# KiCad board NanoGaN.kicad_pcb (continued)
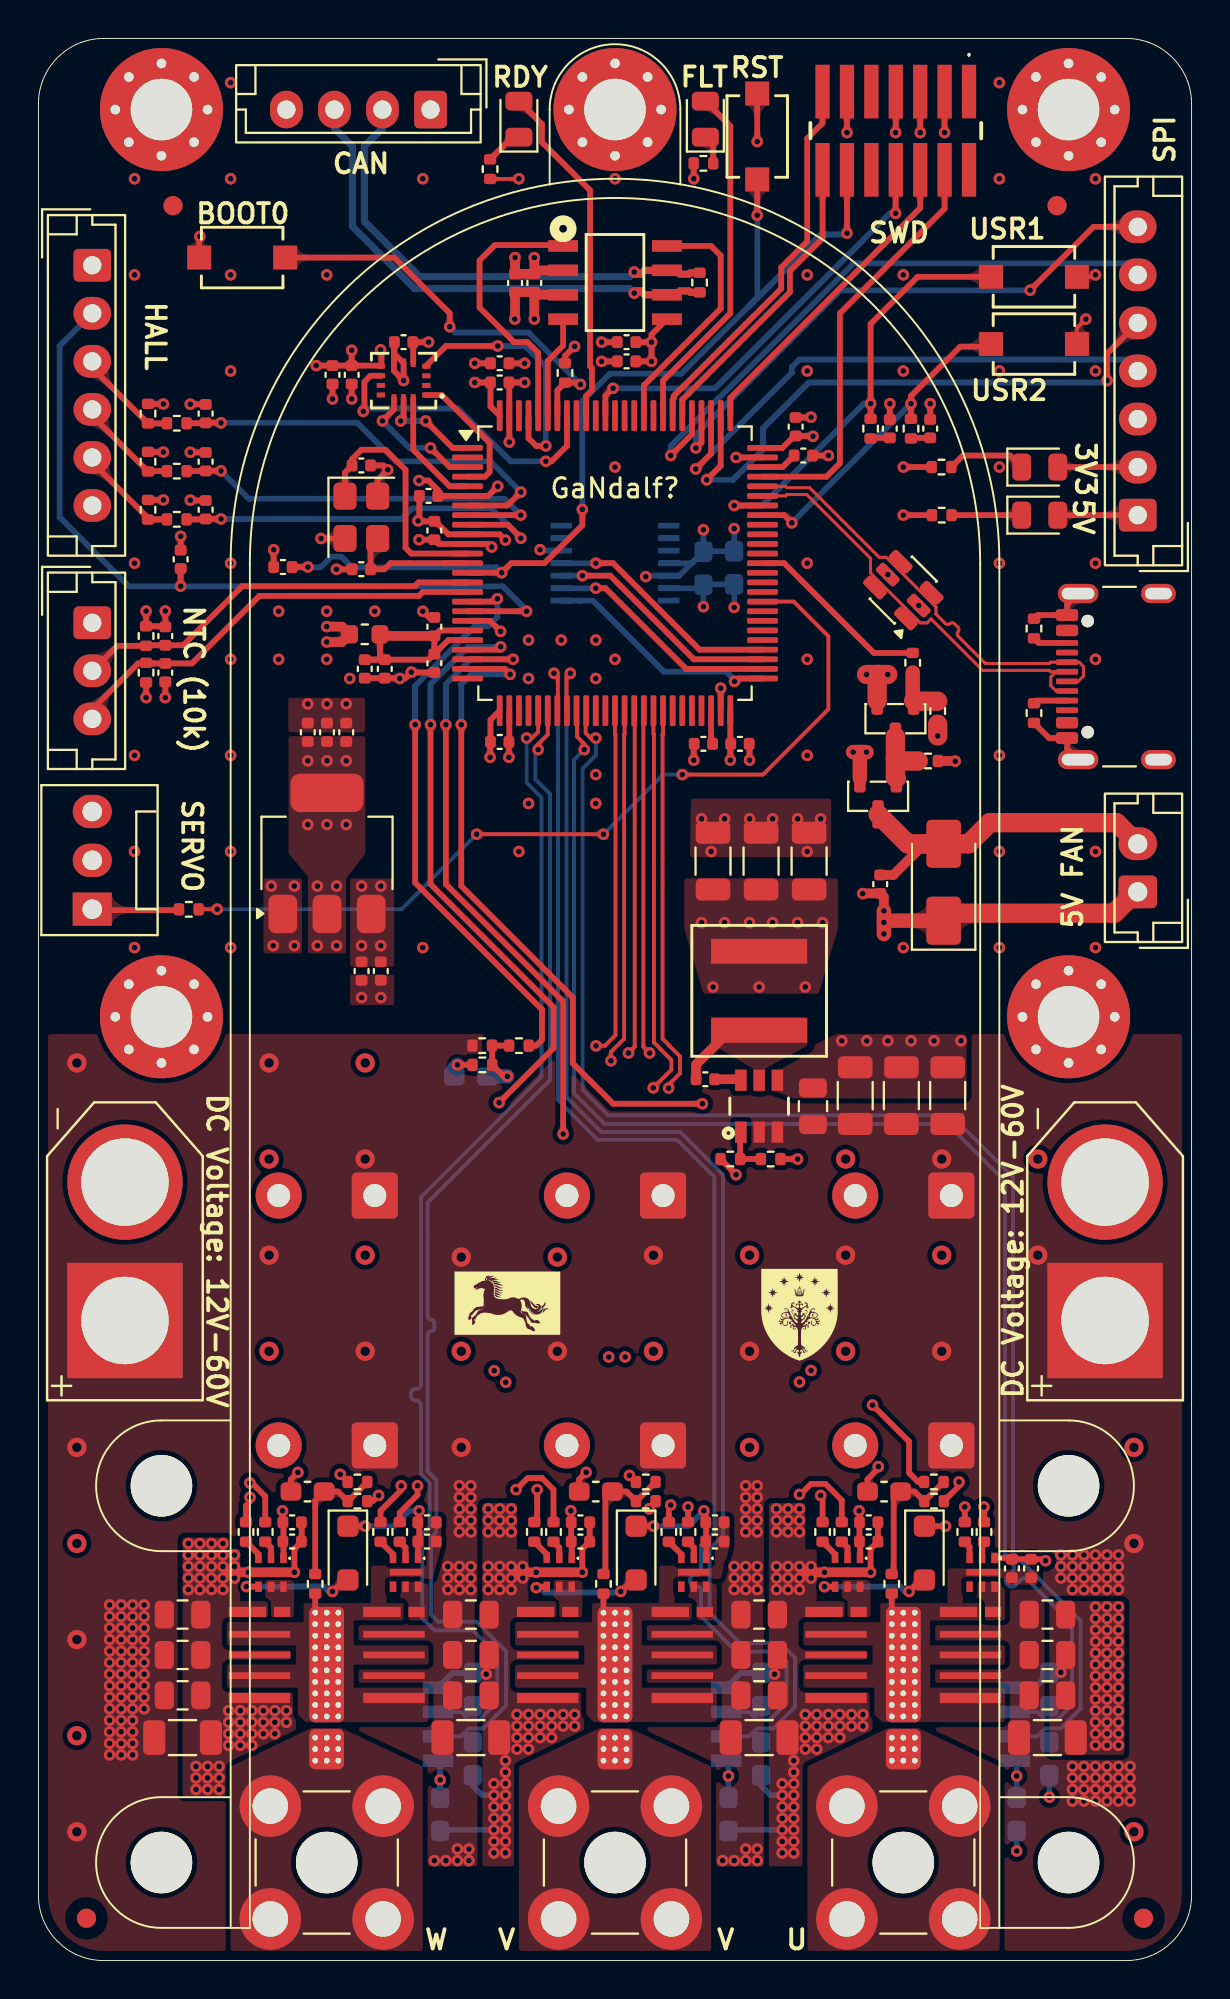
[diagram p0: board, top side]
## Library data of the parts (continued)
J10 = -: Description: Generic connector, single row, 01x06, script generated (kicad-library-utils/schlib/autogen/connector/); ki_fp_filters: Connector*:*_1x??_*
J11 = -: Description: Generic connector, single row, 01x04, script generated (kicad-library-utils/schlib/autogen/connector/); ki_fp_filters: Connector*:*_1x??_*
J12 = -: Datasheet: https://www.usb.org/sites/default/files/documents/usb_type-c.zip; Description: USB 2.0-only 16P Type-C Receptacle connector; LCSC: C2988369; ki_fp_filters: USB*C*Receptacle*
L1 = -: Datasheet: https://www.coilcraft.com/getmedia/ea51f14b-7f32-4dc6-8dfe-d4b70549040f/xal60xx.pdf; Description: 10uH 27mΩ 7.6A 7A AEC-Q200 Magnetic Shielded Inductor ±20% SMD,6.6x6.4mm Power Inductors ROHS; LCSC: C2911576; Inductance: 10u; ki_fp_filters: Choke_* *Coil* Inductor_* L_*
L2 = -: Description: 2.2GHz 250mΩ 39nH 40@250MHz 600mA ±5% 0603 Inductors (SMD) ROHS; LCSC: C295697; Inductance: 39n; ki_fp_filters: Choke_* *Coil* Inductor_* L_*
MH1-MH5 = -: Description: Mounting Hole with connection; ki_fp_filters: MountingHole*Pad*
MH6-MH9 = -: Description: Mounting Hole without connection; ki_fp_filters: MountingHole*
Q1-Q6 = -: Datasheet: https://www.infineon.com/assets/row/public/documents/24/49/infineon-igc025s08s1-datasheet-en.pdf; Description: CoolGaN™ Transistor 80 V G3 in PQFN 3x5, 1.9 mΩ; LCSC: C43313314
Q7 = -: Datasheet: https://ngspice.sourceforge.io/docs/ngspice-html-manual/manual.xhtml#cha_MOSFETs; Description: N-MOSFET transistor, drain/source/gate; Sim.Device: NMOS; Sim.Type: VDMOS; Sim.Pins: 1=D 2=G 3=S; LCSC: C20917
Q8 = -: Datasheet: https://ngspice.sourceforge.io/docs/ngspice-html-manual/manual.xhtml#cha_MOSFETs; Description: N-MOSFET transistor, drain/source/gate; Sim.Device: NMOS; Sim.Type: VDMOS; Sim.Pins: 1=D 2=G 3=S
R1 = -: Description: -55℃~+155℃ 100kΩ 50V 62.5mW Thick Film Resistor ±1% ±100ppm/℃ 0402 Chip Resistor - Surface Mount ROHS; Manufacturer: UNI-ROYAL(Uniroyal Elec); LCSC: C25741; Resistance: 100k; ki_fp_filters: R_*
R2 = -: Description: -55℃~+155℃ 100mW 18kΩ 75V Thick Film Resistor ±1% ±100ppm/℃ 0603 Chip Resistor - Surface Mount ROHS; Manufacturer: UNI-ROYAL(Uniroyal Elec); LCSC: C52036; Resistance: 19.1k; ki_fp_filters: R_*
R3 R43 = -: Description: -55℃~+155℃ 220Ω 50V 62.5mW Thick Film Resistor ±1% ±100ppm/℃ 0402 Chip Resistor - Surface Mount ROHS; LCSC: C25091; Resistance: 220; ki_fp_filters: R_*
R4 R10 R20 R28 = -: Description: -55℃~+155℃ 100mW 39kΩ 75V Thick Film Resistor ±1% ±100ppm/℃ 0603 Chip Resistor - Surface Mount ROHS; Resistance: 39k; LCSC: C965259; ki_fp_filters: R_*
R5 R12 R29 R31 R33 R56 R57 = -: Description: -55℃~+155℃ 2.2kΩ 50V 62.5mW Thick Film Resistor ±1% ±100ppm/℃ 0402 Chip Resistor - Surface Mount ROHS; LCSC: C25879; Resistance: 2k2; ki_fp_filters: R_*
R6 = -: Description: -55℃~+155℃ 120Ω 50V 62.5mW Thick Film Resistor ±1% ±100ppm/℃ 0402 Chip Resistor - Surface Mount ROHS; LCSC: C25079; Resistance: 120; ki_fp_filters: R_*
R7 R19 R32 = -: Description: -55℃~+155℃ 0Ω 50V 62.5mW Thick Film Resistor ±1% ±800ppm/℃ 0402 Chip Resistor - Surface Mount ROHS; Resistance: 0; LCSC: C17168; ki_fp_filters: R_*
R8 R9 R15 R16 R22 R44-R49 = -: Description: -55℃~+155℃ 47kΩ 50V 62.5mW Thick Film Resistor ±1% ±100ppm/℃ 0402 Chip Resistor - Surface Mount ROHS; LCSC: C25792; Resistance: 47k; ki_fp_filters: R_*
R11 R21 R34-R36 R41 R42 = -: Description: -55℃~+155℃ 10kΩ 50V 62.5mW Thick Film Resistor ±1% ±100ppm/℃ 0402 Chip Resistor - Surface Mount ROHS; LCSC: C25744; Resistance: 10k; ki_fp_filters: R_*
R23 = -: Description: -55℃~+155℃ 47kΩ 50V 62.5mW Thick Film Resistor ±1% ±100ppm/℃ 0402 Chip Resistor - Surface Mount ROHS; Resistance: 47k; LCSC: C25792; ki_fp_filters: R_*
R26 R30 = -: Description: -55℃~+155℃ 2.2kΩ 50V 62.5mW Thick Film Resistor ±1% ±100ppm/℃ 0402 Chip Resistor - Surface Mount ROHS; Resistance: 2k2; LCSC: C25879; ki_fp_filters: R_*
R27 = -: Description: -55℃~+155℃ 0Ω 50V 62.5mW Thick Film Resistor ±1% ±800ppm/℃ 0402 Chip Resistor - Surface Mount ROHS; LCSC: C17168; Resistance: 0; ki_fp_filters: R_*
R37 R38 = -: Description: -55℃~+155℃ 5.1kΩ 50V 62.5mW Thick Film Resistor ±1% ±100ppm/℃ 0402 Chip Resistor - Surface Mount ROHS; LCSC: C25905; Resistance: 5k1; ki_fp_filters: R_*
R39 = -: Description: -55℃~+155℃ 100Ω 50V 62.5mW Thick Film Resistor ±1% ±100ppm/℃ 0402 Chip Resistor - Surface Mount ROHS; Resistance: 100; LCSC: C25076; ki_fp_filters: R_*
R40 = -: Description: -55℃~+155℃ 1kΩ 50V 62.5mW Thick Film Resistor ±1% ±100ppm/℃ 0402 Chip Resistor - Surface Mount ROHS; LCSC: C11702; Resistance: 1k; ki_fp_filters: R_*
R58 R59 = -: Description: -55℃~+155℃ 220Ω 50V 62.5mW Thick Film Resistor ±1% ±100ppm/℃ 0402 Chip Resistor - Surface Mount ROHS; Resistance: 220; LCSC: C25091; ki_fp_filters: R_*
R60 = -: Description: -55℃~+155℃ 50V 510Ω 62.5mW Thick Film Resistor ±1% ±100ppm/℃ 0402 Chip Resistor - Surface Mount ROHS; Resistance: 510; LCSC: C25123; ki_fp_filters: R_*
SW1-SW4 = -: Description: -30℃~+80℃ 1.6N 100,000 Cycles 12V 2mm 3mm 4mm 50mA Black Round Button SMD(SMT) Tab SPST Surface Mount,Vertical Without Bracket SMD,4x3mm Tactile Switches ROHS; LCSC: C720477
U1 = -: Datasheet: https://www.st.com/resource/en/datasheet/stm32h723vg.pdf; Description: STMicroelectronics Arm Cortex-M7 MCU, 1024KB flash, 564KB RAM, 550 MHz, 1.71-3.6V, 82 GPIO, LQFP100; Manufacturer: STMicroelectronics; LCSC: C730142; ki_fp_filters: LQFP*14x14mm*P0.5mm*
U2 = -: Datasheet: https://www.ti.com/lit/gpn/lmr51635; Description: -40℃~+150℃@(TJ) 1.1MHz 29uA 3.5A 4.3V~60V 800mV~30V Adjustable Buck Buck Built-in Yes TSOT-23-6 DC-DC Converters ROHS; LCSC: C42432812; ki_fp_filters: DDC0006A-MFG
U3 = -: Datasheet: http://www.advanced-monolithic.com/pdf/ds1117.pdf; LCSC: C6186; ki_fp_filters: SOT?223*TabPin2*
U4 U6 U7 = -: Datasheet: https://www.allegromicro.com/~/media/Files/Datasheets/ACS37030-32-Datasheet; Description: High Accuracy Current Sensor IC; Height: 1.82; Mouser Part Number: 250-ACS37030-065B3; Mouser Price/Stock: https://www.mouser.co.uk/ProductDetail/Allegro-MicroSystems/ACS37030LLZATR-065B3?qs=mELouGlnn3cAUYuLP7Rm%2FA%3D%3D; Manufacturer_Name: Allegro Microsystems; Range: +-65A
U5 U8 U10-U13 = -: Datasheet: https://www.infineon.com/assets/row/public/documents/24/49/infineon-ds-1edn71x6u-2.0-datasheet-en.pdf; Description: -40℃~+125℃ 2 2A 2A 3ns 3ns 4.2V~11V Low Side、High Side MOSFET VSON-10 Gate Drivers ROHS; LCSC: C3654881
U9 = -: Description: -40℃~+85℃ 1.71V~3.6V 2.6uA 4.5KB IMU SPI、I2C、I3C X,Y,Z X,Y,Z ±16g ±4000dps LGA-14L(2.5x3) Accelerometers ROHS; LCSC: C41785564; ki_fp_filters: LGA14-L_2P59X3P1X0P5_STM LGA14-L_2P59X3P1X0P5_STM-M LGA14-L_2P59X3P1X0P5_STM-L
U14 = -: Description: -40℃~+125℃ 0°~360° 1.2mm 15mA 4.4mm 4.5V~5.5V 5mm Magnetic rotary position sensor No SPI TSSOP-14 Position Sensors ROHS; LCSC: C962063; ki_fp_filters: TSSOP-14_AMS TSSOP-14_AMS-M TSSOP-14_AMS-L
U15 = -: Datasheet: https://www.ti.com/lit/gpn/tcan1044-q1; Description: -40℃~+125℃ 1uA 4.5V~5.5V 70mA 8Mbps CAN FD Transceiver SOIC-8 CAN Transceivers ROHS; LCSC: C1852061; ki_fp_filters: D0008A-IPC_A D0008A-IPC_B D0008A-IPC_C D0008A-MFG
X1 = -: Datasheet: https://jlcpcb.com/api/file/downloadByFileSystemAccessId/8588879072109322240; Description: -40℃~+85℃ 12MHz 20pF Crystal Oscillator ±10ppm ±20ppm SMD3225-4P Crystals ROHS; LCSC: C9002; Freq: 12MHz; ki_fp_filters: Crystal*

## Footprints (pads in the part's own frame, mm; a bottom-side part is the same pattern mirrored in y, then rotated)
1EDN71X6U
  rect 0.54x0.34 smd: 1(-0.75,0.65) 2(-0.75,0) 3(-0.75,-0.65) 5(0.75,-0.65) 6(0.75,0) 7(0.75,0.65)
  rect 0.34x1.64 smd: 4(0,0)
ACS37030LLZATR020B3
  rect 1.92x1.58 smd: 1(1.27,2.89) 2(-1.27,2.89)
  rect 0.65x1.58 smd: 3(-1.905,-2.89) 4(-0.635,-2.89) 5(0.635,-2.89) 6(1.905,-2.89)
AMASS_XT60-M
  round 6 hole 4.55: N(3.6,0)
  rect 6x6 hole 4.55: P(-3.6,0)
C_0402_1005Metric
  rrect 0.56x0.62 smd: 1(-0.48,0) 2(0.48,0)
C_0603_1608Metric_Pad1.08x0.95mm_HandSolder
  rrect 1.075x0.95 smd: 1(-0.863,0) 2(0.863,0)
C_0805_2012Metric
  rrect 1x1.45 smd: 1(-0.95,0) 2(0.95,0)
C_1206_3216Metric
  rrect 1.15x1.8 smd: 1(-1.475,0) 2(1.475,0)
CP_Radial_D12.5mm_P5.00mm
  rrect 2.4x2.4 hole 1.2: 1(-2.5,0)
  round 2.4 hole 1.2: 2(2.5,0)
Crystal_SMD_3225-4Pin_3.2x2.5mm
  rrect 1.4x1.2 smd: 1(-1.1,-0.85) 2(1.1,-0.85) 3(1.1,0.85) 4(-1.1,0.85)
D0008A-MFG
  rect 1.55x0.6 smd: 1(-2.7,1.905) 2(-2.7,0.635) 3(-2.7,-0.635) 4(-2.7,-1.905) 5(2.7,-1.905) 6(2.7,-0.635) 7(2.7,0.635) 8(2.7,1.905)
D_SMA
  rrect 2.5x1.8 smd: 1(-2,0) 2(2,0)
D_SOD-123F
  rrect 1.1x1.1 smd: 1(-1.4,0) 2(1.4,0)
DDC0006A-MFG
  rect 1.1x0.6 smd: 1(-1.35,0.95) 2(-1.35,0) 3(-1.35,-0.95) 4(1.35,-0.95) 5(1.35,0) 6(1.35,0.95)
FanPinHeader_1x03_P2.54mm_Vertical
  rect 1.73x2.03 hole 1.02: 1(0,0)
  oval 1.73x2.03 hole 1.02: 2(2.54,0) 3(5.08,0)
Fiducial_1mm_Mask2mm
  round 1 smd: (0,0)
FTSH10701LDVKTR
  rect 0.74x2.79 smd: 1(-3.81,-2.035) 2(-3.81,2.035) 3(-2.54,-2.035) 4(-2.54,2.035) 5(-1.27,-2.035) 6(-1.27,2.035) 7(0,-2.035) 8(0,2.035) 9(1.27,-2.035) 10(1.27,2.035) 11(2.54,-2.035) 12(2.54,2.035) 13(3.81,-2.035) 14(3.81,2.035)
HB_PAD
  round 0.6 hole 0.3: 1(-0.6,-0.3) 1(-0.6,-0.9) 1(-0.6,-1.5) 1(-0.6,-2.1) 1(-0.6,-2.7) 1(-0.6,-3.3) 1(-0.6,-3.9) 1(-0.6,-4.5) 1(-0.6,-5.1) 1(-0.6,-5.7) 1(0,-0.3) 1(0,-0.9) 1(0,-1.5) 1(0,-2.1) 1(0,-2.7) 1(0,-3.3) 1(0,-3.9) 1(0,-4.5) 1(0,-5.1) 1(0,-5.7) 1(0.6,-0.3) 1(0.6,-0.9) 1(0.6,-1.5) 1(0.6,-2.1) 1(0.6,-2.7) 1(0.6,-3.3) 1(0.6,-3.9) 1(0.6,-4.5) 1(0.6,-5.1) 1(0.6,-5.7) 2(-0.6,-6.8) 2(-0.6,-7.4) 2(-0.6,-8) 2(0,-6.8) 2(0,-7.4) 2(0,-8) 2(0.6,-6.8) 2(0.6,-7.4) 2(0.6,-8)
  rrect 1.8x6 smd: 1(0,-3)
  rrect 1.8x6 smd far side: 1(0,-3)
  rrect 1.8x2.1 smd: 2(0,-7.4)
  rrect 1.8x2.1 smd far side: 2(0,-7.4)
IFX-PG-TSON-6-2-V
  rect 0.53x0.85 smd: 1(-2.24,1.175)
  rect 0.35x3.2 smd: 2(-1.075,0) 3(0,0) 4(1.075,0)
  rect 0.53x3.2 smd: 5(2.24,0)
  rect 0.53x1.95 smd: 6(-2.24,-0.625)
IND_XAL60XX-240H_COC
  rect 1.295x5.004 smd: 1(-2.057,0) 2(2.057,0)
JST_EH_B2B-EH-A_1x02_P2.50mm_Vertical
  rrect 1.7x2 hole 1: 1(0,0)
  oval 1.7x2 hole 1: 2(2.5,0)
JST_EH_B3B-EH-A_1x03_P2.50mm_Vertical
  rrect 1.7x1.95 hole 0.95: 1(0,0)
  oval 1.7x1.95 hole 0.95: 2(2.5,0) 3(5,0)
JST_EH_B4B-EH-A_1x04_P2.50mm_Vertical
  rrect 1.7x1.95 hole 0.95: 1(0,0)
  oval 1.7x1.95 hole 0.95: 2(2.5,0) 3(5,0) 4(7.5,0)
JST_EH_B6B-EH-A_1x06_P2.50mm_Vertical
  rrect 1.7x1.95 hole 0.95: 1(0,0)
  oval 1.7x1.95 hole 0.95: 2(2.5,0) 3(5,0) 4(7.5,0) 5(10,0) 6(12.5,0)
JST_EH_B7B-EH-A_1x07_P2.50mm_Vertical
  rrect 1.7x1.95 hole 0.95: 1(0,0)
  oval 1.7x1.95 hole 0.95: 2(2.5,0) 3(5,0) 4(7.5,0) 5(10,0) 6(12.5,0) 7(15,0)
L_0603_1608Metric
  rrect 0.875x0.95 smd: 1(-0.787,0) 2(0.787,0)
LED_0805_2012Metric
  rrect 0.975x1.4 smd: 1(-0.938,0) 2(0.938,0)
LGA14-L_2P59X3P1X0P5_STM-L
  rect 0.432x0.254 smd: 1(-1.181,0.75) 2(-1.181,0.25) 3(-1.181,-0.25) 4(-1.181,-0.75) 8(1.181,-0.75) 9(1.181,-0.25) 10(1.181,0.25) 11(1.181,0.75)
  rect 0.254x0.432 smd: 5(-0.5,-0.927) 6(0,-0.927) 7(0.5,-0.927) 12(0.5,0.927) 13(0,0.927) 14(-0.5,0.927)
LQFP-100_14x14mm_P0.5mm
  rrect 1.6x0.3 smd: 1(-7.675,6) 2(-7.675,5.5) 3(-7.675,5) 4(-7.675,4.5) 5(-7.675,4) 6(-7.675,3.5) 7(-7.675,3) 8(-7.675,2.5) 9(-7.675,2) 10(-7.675,1.5) 11(-7.675,1) 12(-7.675,0.5) 13(-7.675,0) 14(-7.675,-0.5) 15(-7.675,-1) 16(-7.675,-1.5) 17(-7.675,-2) 18(-7.675,-2.5) 19(-7.675,-3) 20(-7.675,-3.5) 21(-7.675,-4) 22(-7.675,-4.5) 23(-7.675,-5) 24(-7.675,-5.5) 25(-7.675,-6) 51(7.675,-6) 52(7.675,-5.5) 53(7.675,-5) 54(7.675,-4.5) 55(7.675,-4) 56(7.675,-3.5) 57(7.675,-3) 58(7.675,-2.5) 59(7.675,-2) 60(7.675,-1.5) 61(7.675,-1) 62(7.675,-0.5) 63(7.675,0) 64(7.675,0.5) 65(7.675,1) 66(7.675,1.5) 67(7.675,2) 68(7.675,2.5) 69(7.675,3) 70(7.675,3.5) 71(7.675,4) 72(7.675,4.5) 73(7.675,5) 74(7.675,5.5) 75(7.675,6)
  rrect 0.3x1.6 smd: 26(-6,-7.675) 27(-5.5,-7.675) 28(-5,-7.675) 29(-4.5,-7.675) 30(-4,-7.675) 31(-3.5,-7.675) 32(-3,-7.675) 33(-2.5,-7.675) 34(-2,-7.675) 35(-1.5,-7.675) 36(-1,-7.675) 37(-0.5,-7.675) 38(0,-7.675) 39(0.5,-7.675) 40(1,-7.675) 41(1.5,-7.675) 42(2,-7.675) 43(2.5,-7.675) 44(3,-7.675) 45(3.5,-7.675) 46(4,-7.675) 47(4.5,-7.675) 48(5,-7.675) 49(5.5,-7.675) 50(6,-7.675) 76(6,7.675) 77(5.5,7.675) 78(5,7.675) 79(4.5,7.675) 80(4,7.675) 81(3.5,7.675) 82(3,7.675) 83(2.5,7.675) 84(2,7.675) 85(1.5,7.675) 86(1,7.675) 87(0.5,7.675) 88(0,7.675) 89(-0.5,7.675) 90(-1,7.675) 91(-1.5,7.675) 92(-2,7.675) 93(-2.5,7.675) 94(-3,7.675) 95(-3.5,7.675) 96(-4,7.675) 97(-4.5,7.675) 98(-5,7.675) 99(-5.5,7.675) 100(-6,7.675)
MountingHole_3.2mm_M3
  round 3.2 hole 3.2 unplated: (0,0)
MountingHole_3.2mm_M3_Pad_Via
  round 0.8 hole 0.5: 1(-2.4,0) 1(-1.697,1.697) 1(-1.697,-1.697) 1(0,2.4) 1(0,-2.4) 1(1.697,1.697) 1(1.697,-1.697) 1(2.4,0)
  round 6.4 hole 3.2: 1(0,0)
R_0402_1005Metric
  rrect 0.54x0.64 smd: 1(-0.51,0) 2(0.51,0)
SOT-23-6
  rrect 1.325x0.6 smd: 1(-1.137,0.95) 2(-1.137,0) 3(-1.137,-0.95) 4(1.137,-0.95) 5(1.137,0) 6(1.137,0.95)
SOT-23_3
  rrect 1.475x0.6 smd: 1(0.938,0) 2(-0.938,0.95) 3(-0.938,-0.95)
SOT-223-3_TabPin2
  rrect 2x1.5 smd: 1(-3.15,2.3) 2(-3.15,0) 3(-3.15,-2.3)
  rrect 2x3.8 smd: 2(3.15,0)
SW_TS-1088_XNP
  rect 1.245x1.245 smd: 1(-2.235,0) 2(2.235,0)
TSSOP-14_AMS-L
  rect 1.105x0.305 smd: 1(-2.8,1.95) 2(-2.8,1.3) 3(-2.8,0.65) 4(-2.8,0) 5(-2.8,-0.65) 6(-2.8,-1.3) 7(-2.8,-1.95) 8(2.8,-1.95) 9(2.8,-1.3) 10(2.8,-0.65) 11(2.8,0) 12(2.8,0.65) 13(2.8,1.3) 14(2.8,1.95)
USB_C_Receptacle_GCT_USB4105-xx-A_16P_TopMnt_Horizontal
  round 0.65 hole 0.65 unplated: (-2.89,2.605) (2.89,2.605)
  rrect 0.6x1.15 smd: A1(-3.2,3.68) A4(-2.4,3.68) A9(2.4,3.68) A12(3.2,3.68) B1(3.2,3.68) B12(-3.2,3.68)
  rrect 0.3x1.15 smd: A5(-1.25,3.68) A6(-0.25,3.68) A7(0.25,3.68) A8(1.25,3.68) B5(1.75,3.68) B6(0.75,3.68) B7(-0.75,3.68) B8(-1.75,3.68)
  oval 1x2.1 hole 0.6x1.7: S1(-4.32,3.105) S1(4.32,3.105)
  oval 1x1.8 hole 0.6x1.4: S1(-4.32,-1.075) S1(4.32,-1.075)
Wuerth_REDCUBE-THR_WP-THRBU_74650073_THR
  round 3.1 smd: (-2.935,2.935) (-2.935,-2.935) (2.935,2.935) (2.935,-2.935)
  round 3.2 hole 3.2 unplated: (0,0)
  round 3.2 hole 1.85: 1(-2.935,2.935) 1(-2.935,-2.935) 1(2.935,2.935) 1(2.935,-2.935)

## Nets
+3V3: C8.1 C24.1 C37.1 C38.1 C40.1 C54.1 C56.1 C57.1 C58.1 C59.1 C63.1 C64.1 C71.1 C73.1 C74.1 C75.1 C76.1 C77.1 C78.1 C89.1 D1.2 J6.3 J7.1 J9.2 L2.1 R29.1 R31.1 R33.1 SW2.1 U1.6 U1.11 U1.27 U1.50 U1.75 U1.100 U3.2 U4.6 U6.6 U7.6 U9.5 U9.8 U14.11 U14.12 U15.5
+3V3A: C9.1 C10.1 C72.1 C80.1 L2.2 U1.20 U1.21
+5V: C6.1 C7.1 C16.1 C20.1 C23.1 C29.1 C41.1 C43.1 C65.1 C66.1 C79.1 C82.1 C86.1 C93.1 D2.5 D3.1 D6.2 J8.1 J9.1 J10.1 J11.1 J14.2 L1.2 R1.1 R40.1 U3.3 U11.1 U12.1 U13.1 U15.3
GND: C1.2 C2.2 C3.2 C4.2 C6.2 C7.2 C8.2 C9.2 C10.2 C11.2 C12.2 C13.2 C14.2 C15.2 C16.2 C17.2 C18.2 C19.2 C20.2 C23.2 C24.2 C25.2 C26.2 C27.2 C28.2 C29.2 C30.2 C32.2 C33.2 C35.2 C36.2 C37.2 C38.2 C39.2 C40.2 C41.2 C42.2 C43.2 C44.2 C45.2 C46.2 C47.2 C49.2 C50.2 C52.2 C53.2 C54.2 C55.2 C56.2 C57.2 C58.2 C59.2 C60.2 C61.2 C62.2 C63.2 C64.2 C65.2 C66.2 C67.2 C68.2 C69.2 C70.2 C71.2 C72.2 C73.2 C74.2 C75.2 C76.2 C77.2 C78.2 C79.2 C80.2 C81.2 C82.2 C83.2 C84.2 C85.2 C86.2 C87.2 C88.2 C89.2 C90.2 C91.2 C94.2 C95.2 D2.2 J1.N J2.N J6.5 J6.7 J6.11 J9.3 J10.6 J11.4 J12.A1 J12.A12 J12.B1 J12.B12 J12.S1 J14.3 MH1.1 MH2.1 MH3.1 MH4.1 MH5.1 Q2.3 Q2.5 Q2.6 Q4.3 Q4.5 Q4.6 Q6.3 Q6.5 Q6.6 Q7.3 Q8.3 R2.2 R3.2 R5.2 R11.2 R12.2 R21.2 R26.2 R30.2 R37.2 R38.2 R41.1 R42.2 R58.2 R59.2 R60.2 SW1.1 SW3.1 SW4.1 U1.10 U1.19 U1.26 U1.49 U1.74 U1.99 U2.4 U3.1 U4.3 U6.3 U7.3 U9.6 U9.7 U11.4 U12.4 U13.4 U14.5 U14.13 U15.2 X1.2 X1.4
/Connectors/CAN+: J11.2 R6.1 U15.7
/Connectors/CAN-: J11.3 R6.2 U15.6
/Connectors/D+: D2.3 D2.4 J12.A6 J12.B6 U1.71
/Connectors/D-: D2.1 D2.6 J12.A7 J12.B7 U1.70
/Connectors/EXT_TEMP1: C53.1 J7.2 R21.1 U1.15
/Connectors/EXT_TEMP2: C52.1 J7.3 R11.1 U1.16
/Connectors/FAN_GATE: Q7.2 Q8.1 R40.2
/Connectors/FAN_GATE_B: Q8.2 R42.1 R43.1
/Connectors/FAN_PWM: R43.2 U1.63
/Connectors/FANN: C93.2 D3.2 J8.2 Q7.1
/Connectors/HALL1: C19.1 R34.2 U1.7
/Connectors/HALL2: C61.1 R35.2 U1.8
/Connectors/HALL3: C62.1 R36.2 U1.9
/Connectors/HALL_IN1: J10.3 R29.2 R34.1
/Connectors/HALL_IN2: J10.4 R31.2 R35.1
/Connectors/HALL_IN3: J10.5 R33.2 R36.1
/Connectors/MOTOR_TEMP: C60.1 J10.2 U1.18
/Connectors/NRST: C55.1 J6.12 SW1.2 U1.14
/Connectors/SERVO: R39.2 U1.59
/Connectors/SERVO_IN: J14.1 R39.1
/Connectors/SPI3_MISO_I2C5_SCL: J9.7 U1.79
/Connectors/SPI3_MOSI_I2C5_SMBA: J9.6 U1.80
/Connectors/SPI3_NSS: J9.5 U1.77
/Connectors/SPI3_SCK_I2C5_SDA: J9.4 U1.78
/Connectors/SWCLK: J6.6 U1.76
/Connectors/SWDIO: J6.4 U1.72
/Connectors/SWO: J6.8 U1.89
/Connectors/USBCC1: J12.A5 R38.1
/Connectors/USBCC2: J12.B5 R37.1
/Connectors/VCP_RX: J6.13 U1.82
/Connectors/VCP_TX: J6.14 U1.81
/HalfBridgeU/BST: D7.2 U11.5
/HalfBridgeU/BST_OUT: C22.2 C31.2 D7.1 U5.1
/HalfBridgeU/DAC_OCP_N: U1.29
/HalfBridgeU/DAC_OCP_P: U1.28
/HalfBridgeU/GATE+: R8.1 R45.1 U1.43
/HalfBridgeU/GATE-: R9.1 R44.1 U1.42
/HalfBridgeU/H+: R8.2 U5.2
/HalfBridgeU/H-: R9.2 U5.3
/HalfBridgeU/HIGH_GATE: Q1.1 U5.6 U5.7
/HalfBridgeU/HS: C22.1 C31.1 Q1.3 Q1.5 Q1.6 Q2.2 Q2.4 R10.1 U4.2 U5.4 U_HB_PAD.1
/HalfBridgeU/I_CURR_SENS+: C25.1 U1.34 U4.4
/HalfBridgeU/I_CURR_SENS-: C28.1 U1.35 U4.5
/HalfBridgeU/L+: R44.2 U11.2
/HalfBridgeU/L-: R45.2 U11.3
/HalfBridgeU/LOW_GATE: Q2.1 U11.6 U11.7
/HalfBridgeU/OCP_N: U1.86
/HalfBridgeU/OCP_P: U1.84
/HalfBridgeU/PHASE: J3.1 U4.1 U_HB_PAD.2
/HalfBridgeU/U_PHASE_SENS: R19.2 U1.24
/HalfBridgeV/BST: D8.2 U12.5
/HalfBridgeV/BST_OUT: C48.2 C96.2 D8.1 U8.1
/HalfBridgeV/GATE+: R15.1 R47.1 U1.41
/HalfBridgeV/GATE-: R16.1 R46.1 U1.40
/HalfBridgeV/H+: R15.2 U8.2
/HalfBridgeV/H-: R16.2 U8.3
/HalfBridgeV/HIGH_GATE: Q3.1 U8.6 U8.7
/HalfBridgeV/HS: C48.1 C96.1 HB_PAD_U.1 Q3.3 Q3.5 Q3.6 Q4.2 Q4.4 R20.1 U6.2 U8.4
/HalfBridgeV/I_CURR_SENS+: C26.1 U1.32 U6.4
/HalfBridgeV/I_CURR_SENS-: C39.1 U1.33 U6.5
/HalfBridgeV/L+: R46.2 U12.2
/HalfBridgeV/L-: R47.2 U12.3
/HalfBridgeV/LOW_GATE: Q4.1 U12.6 U12.7
/HalfBridgeV/OCP_N: U1.55
/HalfBridgeV/OCP_P: U1.87
/HalfBridgeV/PHASE: HB_PAD_U.2 J4.1 U6.1
/HalfBridgeV/U_PHASE_SENS: R27.2 U1.23
/HalfBridgeW/BST: D9.2 U13.5
/HalfBridgeW/BST_OUT: C97.2 C98.2 D9.1 U10.1
/HalfBridgeW/GATE+: R22.1 R49.1 U1.39
/HalfBridgeW/GATE-: R23.1 R48.1 U1.38
/HalfBridgeW/H+: R22.2 U10.2
/HalfBridgeW/H-: R23.2 U10.3
/HalfBridgeW/HIGH_GATE: Q5.1 U10.6 U10.7
/HalfBridgeW/HS: C97.1 C98.1 Q5.3 Q5.5 Q5.6 Q6.2 Q6.4 R28.1 U7.2 U10.4 V_HB_PAD.1
/HalfBridgeW/I_CURR_SENS+: C33.1 U1.30 U7.4
/HalfBridgeW/I_CURR_SENS-: C91.1 U1.31 U7.5
/HalfBridgeW/L+: R48.2 U13.2
/HalfBridgeW/L-: R49.2 U13.3
/HalfBridgeW/LOW_GATE: Q6.1 U13.6 U13.7
/HalfBridgeW/OCP_N: U1.98
/HalfBridgeW/OCP_P: U1.58
/HalfBridgeW/PHASE: J5.1 U7.1 V_HB_PAD.2
/HalfBridgeW/U_PHASE_SENS: R32.2 U1.22
/MCU/HSE_IN: C69.1 U1.12 X1.1
/MCU/HSE_OUT: C70.1 U1.13 X1.3
/MCU/U_DC_SENS: R7.2 U1.17
/MCU/VCAP1: C83.1 U1.48
/MCU/VCAP2: C84.1 U1.73
/Power/SW_CB: C5.1 U2.6
/Power/SW_FB: R1.2 R2.1 U2.1
/Power/SW_SMPS: C5.2 L1.1 U2.5
ACTIVE: D5.2 U1.91
BOOT0: R41.2 SW2.2 U1.94
ERROR: D4.2 U1.83
FDCAN1_RX: U1.95 U15.4
FDCAN1_STB: U1.85 U15.8
FDCAN1_TX: U1.96 U15.1
IMU_INT1: U1.97 U9.4
IMU_INT2: U1.93 U9.9
SPI2_MISO: U1.53 U14.3
SPI2_MOSI: U1.54 U14.4
SPI2_NSS: U1.51 U14.1
SPI2_SCK: U1.52 U14.2
SPI4_MISO: U1.4 U9.1
SPI4_MOSI: U1.5 U9.14
SPI4_NSS: U1.3 U9.12
SPI4_SCK: U1.1 U9.13
U_DC: C1.1 C2.1 C3.1 C4.1 C11.1 C12.1 C13.1 C14.1 C15.1 C17.1 C27.1 C30.1 C32.1 C35.1 C42.1 C44.1 C45.1 C46.1 C47.1 C49.1 C50.1 C67.1 C68.1 C81.1 C88.1 C90.1 J1.P J2.P Q1.2 Q1.4 Q3.2 Q3.4 Q5.2 Q5.4 R4.1 U2.2 U2.3
USR_BTN1: R56.1 SW3.2 U1.69
USR_BTN2: R57.1 SW4.2 U1.68
Net-(C18-Pad1): C18.1 R4.2 R5.1 R7.1
Net-(C36-Pad1): C36.1 R10.2 R12.1 R19.1
Net-(C85-Pad1): C85.1 R20.2 R26.1 R27.1
Net-(C87-Pad1): C87.1 R28.2 R30.1 R32.1
Net-(C94-Pad1): C94.1 R56.2
Net-(C95-Pad1): C95.1 R57.2
Net-(D1-K): D1.1 R3.1
Net-(D4-K): D4.1 R58.1
Net-(D5-K): D5.1 R59.1
Net-(D6-K): D6.1 R60.1

Pads without a net: J6 1 2 9 10; J12 A4 A8 A9 B8; U1 2 25 36 37 44 45 46 47 56 57 60 61 62 64 65 66 67 88 90 92; U5 5; U8 5; U9 2 3 10 11; U10 5; U14 6 7 8 9 10 14

## Via types
v1: diameter 0.6, hole 0.3, Top to Bottom, 670 vias
v2: diameter 1, hole 0.5, Top to Bottom, 35 vias

## Routing (per net, layer and track width the routed paths; a pad name or vN(x,y) marks a point on that pad's centre or on a via; arc(x,y) is an arc through that point)
+3V3: length 60.3
  Top w0.3: v1(6.5,75.99) R33.1 ; C77.1 40.28,79.32 v1(40.3,79.3) ; C77.1 39.4,79.39 38.71,78.7 U1.75 ; C77.1 39.38,79.3 ; 53.14,77.7 J9.2 ; 16.33,82.95 C57.1 ; C57.1 16.36,83.04 ; C57.1 17.81,82.98 ; C57.1 v1(14.45,82.98) ; C57.1 v1(16.3,83.78) ; 15.35,83.03 C54.1 ; v1(6.5,78.48) 5.71,78.48 R31.1 ; v1(20.3,84.2) C56.1 19.49,84.21 ; 36,65.03 36,63.32 C76.1 36,63.28 v1(36,62.45) ; U15.5 31.9,84.6 v1(31.9,84.2) ; SW2.1 8.36,89.66 v1(8.4,89.7) ; v1(22.7,83.1) C71.1 ; v1(19.8,77) 20.29,77 20.78,76.51 C73.1 U1.6 23.4,76.2 v1(23.9,76.7) ; 24.5,65.03 24.5,63.42 C75.1 v1(24.48,62.6) ; R29.1 5.71,80.98 v1(6.5,80.98) ; 19.5,83.11 19.5,84.18 19.49,84.19 ; v1(31.9,84.2) v1(31.9,83.2) C63.1 ; v1(31.9,84.2) C64.1 ; v1(19.8,73.92) C74.1 20.82,73.7 U1.11 23.43,73.7 v1(23.58,73.54) ; v1(17.8,83.8) 17.84,83.76 17.84,82.95 ; 31.18,84.25 31.13,84.2 ; v1(22.7,82.1) C78.1 23.52,80.86 U1.100 ; J6.3 v1(47.15,95.1)
  Top w0.5: v1(15,69.4) 15.79,69.4 L2.1 15.79,68.6 v1(15,68.6)
  Top w0.75: 16.14,69.05 L2.1
  Bottom w0.3: U7.6 20.9,10.29 v1(20.9,9.4) 20.9,8.06 ; C59.1 v1(34.6,74.44) ; C59.1 34,72.7 U14.11 ; C59.1 34.62,73.33 C58.1 v1(36.2,74.5) ; C59.1 33.35,72.05 U14.12 31.65,72.05 v1(31.6,72) ; U4.6 50.9,10.29 v1(50.9,9.6) C24.1 ; v1(35.9,9.6) 35.9,10.29 U6.6 ; v1(35.9,9.6) 35.79,9.71 ; v1(35.9,9.6) C38.1
  vias: v1(14.01,62.42) v1(14.01,59.1) v1(14.51,55.9) v1(14.51,52.8) v1(15.01,62.42) v1(15.01,59.1) v1(15.51,55.9) v1(15.51,52.8) v1(16.01,62.42) v1(16.01,59.1)
+3V3A: length 15
  Top w0.3: C72.1 21.32,68.7 U1.21 ; C72.1 C80.1 20.88,69.2 U1.20 ; C72.1 20.31,67.68 C9.1 ; C9.1 18,67.7 ; C9.1 C10.1 17.75,67.68 17.77,67.7 L2.2 17.77,67.93 C9.1
  Top w0.5: C80.1 17.85,68.92 L2.2
+5V: length 36.6
  Top w0.3: U11.1 42.75,21.77 C20.1 C16.1 42.72,23.3 ; v1(27.7,23.4) 27.7,22.82 C23.1 ; 27.75,21.77 C29.1 27.72,23.18 ; 27.75,21.77 U12.1 ; 27.75,21.77 27.8,21.82 ; 12.7,23.49 12.7,22.82 C41.1 12.75,22.77 U13.1 ; D6.2 J9.1 ; 24.8,85.42 v1(24.78,85.4) ; v1(39.5,41.7) R1.1
  Top w0.5: U15.3 25.94,86.67 C66.1 ; v1(43.99,54.01) 43.99,55.33 C93.1 42.89,55.52 ; C66.1 C65.1 24.8,85.42 ; C66.1 v1(25.8,85.4) ; v1(47.7,62.4) 47.69,62.41 R40.1
  Top w0.75: D3.1 44.08,54.1 v1(43.99,54.01) ; v1(43.99,53.41) v1(43.99,54.61)
  Top w1: J8.1 57.1,55.6 55.99,54.49 47.11,54.49
  vias: v1(12.7,23.4) v1(16.81,55.9) v1(16.81,52.8) v1(17.81,55.9) v1(17.81,52.8) v1(34.5,54) v1(35.1,50.65) v1(35.7,54) v1(37,54) v1(37.5,50.65) v1(38.2,54) v1(39.5,54) v1(39.9,50.65) v1(40.8,54) v1(42.7,23.4) v1(42.89,55.51) v1(44.2,72.1)
GND: length 138.4
  Top w0.2: v1(54.5,85.4) 54.04,84.94 SW4.1 ; R59.2 24.99,92.69 v1(25,92.7) ; SW3.1 54.9,87.6 v1(55,87.7)
  Top w0.3: C85.2 28.14,25.04 v1(28.5,25.4) ; v1(37,62.45) 37,63.28 C76.2 ; v1(25.3,82.1) C78.2 24.5,82.08 U1.99 v1(24.5,79) ; v1(15.3,81.24) 15.3,81.89 15.35,81.94 15.3,81.99 C54.2 ; v1(7.9,78.47) 8.69,78.47 C61.2 ; v1(20,70.2) 20.32,69.88 C80.2 ; v1(41.1,78.3) C84.2 ; v1(40.2,80.3) 40.18,80.28 C77.2 ; X1.2 v1(14.7,73.99) ; C83.2 34.1,63.28 v1(34.1,62.45) ; v1(5.6,65.71) R11.2 ; J6.7 44.61,95.11 v1(44.6,95.1) ; v1(43.7,25.7) 43.7,25.6 43.14,25.04 C36.2 ; 20.6,67.02 19.41,67.02 v1(19.4,67.03) 19.07,66.7 v1(18.8,66.7) 18.78,66.72 C9.2 C10.2 ; v1(47.9,24.9) 47.9,24.69 R12.2 ; 19,83.11 18.52,83.59 C56.2 18.5,84.18 18.5,82.7 v1(19,82.2) 19,83.11 ; C69.2 17.95,77.79 v1(18.18,77.56) 17.65,77.04 X1.4 ; v1(37.4,94.64) SW1.1 ; R30.2 17.4,23.9 v1(17.7,24.2) ; v1(23.5,62.6) 23.5,63.38 C75.2 23.52,64.55 24,65.03 ; C55.2 v1(12.24,73.4) ; v1(31.77,23.5) 31.77,23.56 R26.2 ; v1(36.3,40.88) 36.3,40.89 R2.2 ; R58.2 34.1,93.49 v1(34.1,92.7) ; v1(6.6,70.21) C53.2 6.57,69.42 R21.2 v1(5.6,70.21) ; 54.1,62.48 53.53,63.06 53.53,63.6 52.59,63.6 R38.2 ; v1(13.5,25.4) 13.14,25.04 C87.2 ; J6.11 v1(42.07,95.1) ; v1(45,77.7) R3.2 ; C94.2 v1(44.3,81) ; C73.2 19.82,74.97 v1(19.75,74.9) 19.77,74.88 20.65,74.88 21.33,74.2 U1.10 24,74.2 v1(24.3,73.9) ; v1(7.9,80.97) 8.69,80.97 C19.2 ; v1(13.32,20.2) 13.32,21.42 13.7,21.8 13.7,22.8 ; v1(6.6,65.71) C52.2 ; C95.2 v1(46.4,81) ; 30.17,84.2 30.12,84.15 C64.2 v1(29.3,84.2) ; U1.19 23.5,69.7 v1(24.05,69.15) ; R37.2 51.99,70 53.53,70 53.53,70.55 54.1,71.12 ; C63.2 v1(29.3,83.2) ; C71.2 v1(25.3,83.1) ; J6.5 v1(45.88,95.1) ; U1.74 v1(36.3,78.2) ; R41.1 27.4,83.48 v1(27.9,83.98) ; 35.5,65.03 v1(35.5,66.2) ; C23.2 C29.2 28.3,21.42 v1(28.3,20.2) ; C62.2 7.92,75.96 v1(7.9,75.98) ; v1(45,75.2) R60.2 ; C16.2 C20.2 43.3,21.42 v1(43.3,20.2) ; C70.2 v1(15.5,72.39) ; C57.2 v1(16.3,81.24) ; v1(21.8,46.6) R5.2 ; C60.2 v1(7.4,74.1)
  Top w0.5: v1(24.6,20.5) 24.9,20.2 v1(25.9,20.2) U12.4 v1(28.3,20.2) ; 19.46,67.02 19.4,67.08 ; 16.22,66.72 v1(16.2,66.7) ; 9.9,20.2 v1(9.6,20.5) ; v1(43.3,20.2) U11.4 v1(40.9,20.2) 39.9,20.2 v1(39.6,20.5) ; v1(24.8,88.6) C65.2 C66.2 ; C66.2 25.97,87.94 U15.2 ; C66.2 v1(25.8,88.6) ; v1(13.32,20.2) v1(10.92,20.2) 9.92,20.2
  Top w0.75: v1(42.39,62.87) 42.69,62.87 ; 42.69,62.87 v1(43.09,62.87) ; 42.69,62.87 42.74,62.82 Q7.3
  Top w1: Q8.3 43.64,66.86 43.69,66.91 ; 43.69,66.91 v1(43.09,66.91) ; 43.69,66.91 v1(44.19,66.91) ; 54.3,41.7 J1.N ; v1(46.79,63.71) 46.79,64.32
  Bottom w0.3: C59.2 v1(34.6,70.44) ; C59.2 34.62,71.6 C58.2 v1(36.2,70.4) ; C59.2 34.42,71.4 U14.13 ; v1(38.7,8.6) 38.1,8.6 37.6,9.1 C39.2 ; C26.2 36.55,14.96 U6.3 ; C24.2 v1(50.9,5.7) ; U4.3 51.84,14.21 C25.2 ; v1(26.1,73.4) 26.15,73.35 U14.5 ; v1(23.7,6.8) 21.36,6.8 20.9,6.34 ; v1(52.6,8.5) C28.2 ; U7.3 21.55,14.96 C33.2 22.66,14.9 v1(23.3,14.9) ; v1(38.7,6.8) 35.96,6.8 C38.2 ; C91.2 22.6,9.1 23.1,8.6 v1(23.7,8.6)
  Bottom w0.75: v1(21.8,46.6) 21.64,46.44 C18.2
  vias: v1(5,92.7) v1(5,87.7) v1(5,72.7) v1(5,62.7) v1(5,57.7) v1(5,52.7) v1(7.8,21.7) v1(7.8,21.1) v1(7.8,20.5) v1(7.8,19.9) v1(7.8,19.3) v1(8.2,10.1) v1(8.2,9.5) v1(8.2,8.9) v1(8.4,21.7) v1(8.4,21.1) v1(8.4,20.5) v1(8.4,19.9) v1(8.4,19.3) v1(8.8,10.1) v1(8.8,9.5) v1(8.8,8.9) v1(9,21.7) v1(9,21.1) v1(9,20.5) v1(9,19.9) v1(9,19.3) v1(9.4,10.1) v1(9.4,9.5) v1(9.4,8.9) v1(9.6,21.7) v1(9.6,21.1) v1(9.6,19.9) v1(9.6,19.3) v1(9.9,13) v1(9.9,12.4) v1(9.9,11.8) v1(9.9,11.2) v1(10,97.7) v1(10,92.7) v1(10,87.7) v1(10,82.7) v1(10,72.7) v1(10,67.7) v1(10,62.7) v1(10,57.7) v1(10,52.7) v1(10.2,21.1) v1(10.2,20.5) v1(10.2,19.9) v1(10.5,13) v1(10.5,12.4) v1(10.5,11.8) v1(10.5,11.2) v1(11.1,13) v1(11.1,12.4) v1(11.1,11.8) v1(11.1,11.2) v1(11.7,13) v1(11.7,12.4) v1(11.7,11.8) v1(12.11,55.9) v1(12.21,52.8) v1(12.3,13) v1(12.3,12.4) v1(12.3,11.8) v1(12.5,70.2) v1(12.5,67.7) v1(12.9,13) v1(12.9,12.4) v1(13.31,55.9) v1(13.31,52.8) v1(14.01,65.38) v1(15,87.7) v1(15,70.2) v1(15,67.7) v1(15.01,65.38) v1(16.01,65.38) v1(16.81,50.1) v1(17.5,70.2) v1(17.81,50.1) v1(20,92.7) v1(20,52.7) v1(23.4,23.5) v1(23.4,22.9) v1(23.4,22.3) v1(23.4,20.5) v1(23.4,19.9) v1(23.4,19.3) v1(23.7,9.2) v1(23.7,8) v1(23.7,7.4) v1(23.7,6.2) v1(23.7,5.6) v1(24,23.5) v1(24,22.9) v1(24,22.3) v1(24,20.5) v1(24,19.9) v1(24,19.3) v1(24.3,10.4) v1(24.3,9.8) v1(24.3,9.2) v1(24.3,8.6) v1(24.3,8) v1(24.3,7.4) v1(24.3,6.8) v1(24.3,6.2) v1(24.3,5.6) v1(24.6,23.5) v1(24.6,22.9) v1(24.6,22.3) v1(24.6,19.9) v1(24.6,19.3) v1(24.9,12.8) v1(24.9,12.2) v1(24.9,11.6) v1(24.9,11) v1(25,57.7) v1(25.2,20.5) v1(25.2,19.9) v1(25.5,68.7) v1(25.5,66.7) v1(25.5,60.2) v1(25.5,12.8) v1(25.5,12.2) v1(25.5,11.6) v1(25.5,11) v1(26.1,12.8) v1(26.1,12.2) v1(26.1,11.6) v1(26.7,12.8) v1(26.7,12.2) v1(26.7,11.6) v1(27.2,68.7) v1(27.3,12.8) v1(27.3,12.2) v1(27.9,12.8) v1(27.9,12.2) v1(29,68.7) v1(29,66.7) v1(29,61.7) v1(29,60.2) v1(30,92.7) v1(30,77.7) v1(30,67.7) v1(34.5,59.4) v1(35,57.7) v1(35.7,59.4) v1(37,59.4) v1(38.2,59.4) v1(38.3,14.9) v1(38.4,23.5) v1(38.4,22.9) v1(38.4,22.3) v1(38.4,20.5) v1(38.4,19.9) v1(38.4,19.3) v1(38.7,9.2) v1(38.7,8) v1(38.7,7.4) v1(38.7,6.2) v1(38.7,5.6) v1(39,23.5) v1(39,22.9) v1(39,22.3) v1(39,20.5) v1(39,19.9) v1(39,19.3) v1(39.3,10.4) v1(39.3,9.8) v1(39.3,9.2) v1(39.3,8.6) v1(39.3,8) v1(39.3,7.4) v1(39.3,6.8) v1(39.3,6.2) v1(39.3,5.6) v1(39.5,59.4) v1(39.6,23.5) v1(39.6,22.9) v1(39.6,22.3) v1(39.6,19.9) v1(39.6,19.3) v1(39.9,12.8) v1(39.9,12.2) v1(39.9,11.6) v1(39.9,11) v1(40,87.7) v1(40,82.7) v1(40,72.7) v1(40,67.7) v1(40,62.7) v1(40,57.7) v1(40.2,20.5) v1(40.2,19.9) v1(40.5,12.8) v1(40.5,12.2) v1(40.5,11.6) v1(40.5,11) v1(40.7,59.4) v1(41.1,12.8) v1(41.1,12.2) v1(41.1,11.6) v1(41.7,12.8) v1(41.7,12.2) v1(41.7,11.6) v1(41.8,47.85) v1(42.3,12.8) v1(42.3,12.2) v1(42.9,12.8) v1(42.9,12.2) v1(43.1,47.85) v1(44.2,47.85) v1(45,87.7) v1(45,82.7) v1(45,52.7) v1(45.4,47.85) v1(45.8,70.5) v1(46.6,47.85) v1(48,47.85) v1(50,97.7) v1(50,92.7) v1(50,82.7) v1(50,77.7) v1(50,72.7) v1(50,62.7) v1(50,57.7) v1(50,52.7) v1(53.2,15) v1(55,92.7) v1(55,82.7) v1(55,72.7) v1(55,67.7) v1(55,57.7) v1(55,52.7) v1(55,18.4) v1(55,17.8) v1(55,17.2) v1(55,16.6) v1(55,16) v1(55,15.4) v1(55,14.8) v1(55,14.2) v1(55,13.6) v1(55,13) v1(55,12.4) v1(55,11.8) v1(55,11.2) v1(55.6,18.4) v1(55.6,17.8) v1(55.6,17.2) v1(55.6,16.6) v1(55.6,16) v1(55.6,15.4) v1(55.6,14.8) v1(55.6,14.2) v1(55.6,13.6) v1(55.6,13) v1(55.6,12.4) v1(55.6,11.8) v1(55.6,11.2) v1(56.2,18.4) v1(56.2,17.8) v1(56.2,17.2) v1(56.2,16.6) v1(56.2,16) v1(56.2,15.4) v1(56.2,14.8) v1(56.2,14.2) v1(56.2,13.6) v1(56.2,13) v1(56.2,12.4) v1(56.2,11.8) v1(56.2,11.2) v2(2,21.7) v2(2,11.7) v2(12,41.7) v2(12,31.7) v2(17,46.7) v2(17,36.7) v2(22,31.7) v2(27,36.6) v2(32,31.7) v2(37,36.7) v2(37,26.7) v2(42,41.7) v2(42,31.7) v2(47,36.7) v2(52,41.7) v2(57,26.7) v2(57,6.7)
